# Altium PCB as14120_all.PcbDoc (part 2 of 4)
Units mm, origin at the board's own origin, x right, y up, seen from the top; angles counter-clockwise.
Board outline 130 x 100 mm, 6 copper layers (Top Layer, GND_top, Signal_Power, Signal_midle, GND_bot, Bottom Layer), stack 1.003 mm thick; 383 components, 353 nets, 2210 pads, 1060 vias.
Unrouted connection lines stored in the file: 634.
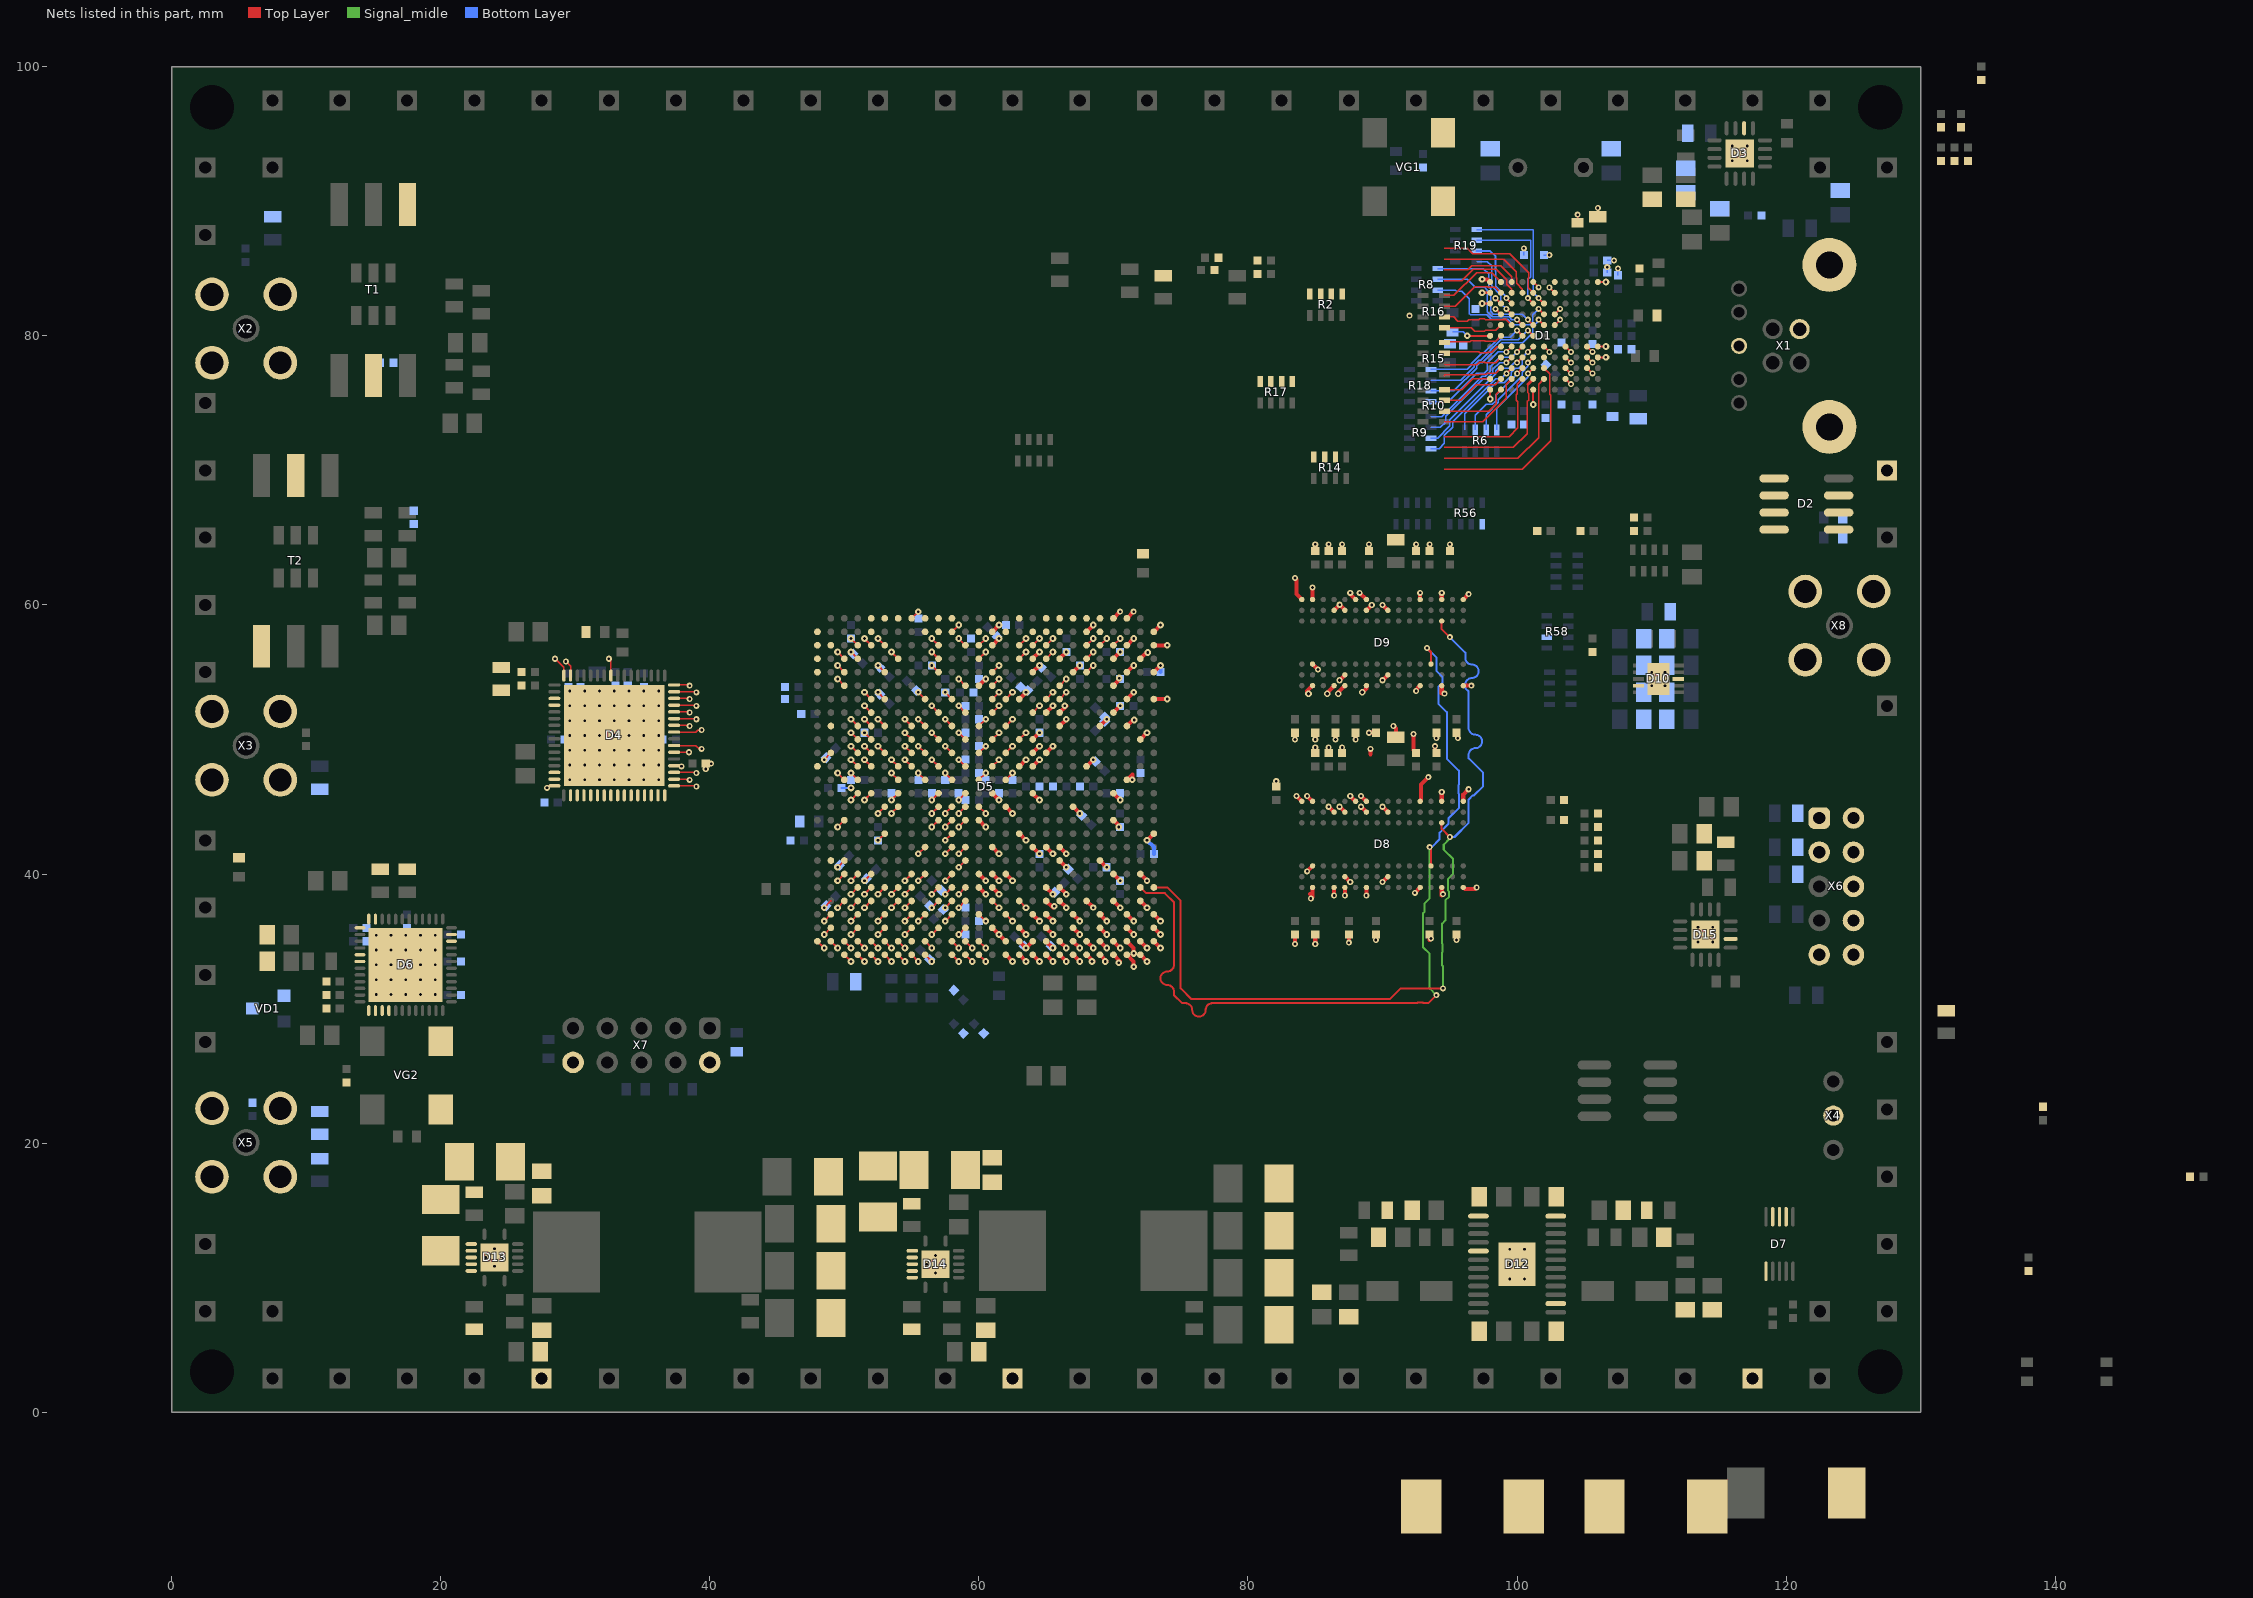
[diagram p5: the nets of this part, all layers, seen from the top]

## Footprints (in the part's own frame and the unit in brackets; to place one, negate y for a bottom-side part, rotate by r counter-clockwise, add the part's x,y. Pads: shape width x height; smd on the part's side, far side on the other; paste and mask are expansions set on the pad) (continued)
RESC0603(1608)_L [mm] "Chip Resistor, Body 1.6x0.8mm, IPC High Density"
  rect 0.7x0.9 smd: 1(-0.7,0) 2(0.7,0)
  silkscreen extent -0.05,-0.35 0.05,0.35, body extent -0.85,-0.47 0.85,0.47, height 0.6
RESC0805(2012)_L [mm] "Chip Resistor, Body 2.0x1.3mm, IPC High Density"
  rect 0.85x1.3 smd: 1(-0.85,0) 2(0.85,0)
  silkscreen extent -0.05,-0.55 0.05,0.55, body extent -1.1,-0.67 1.1,0.68, height 0.78
RGY14-2050X2050TP [mm] "QFN, 14-Leads, Body 3.5x3.5mm, Pitch 0.5mm, Thermal Pad 2.05x2.05mm, TI Recommended"
  oval 0.28x0.85 smd paste-0.025 mask+0.07: 1(-0.75,1.725) 7(-0.75,-1.725) 8(0.75,-1.725) 14(0.75,1.725)
  oval 0.85x0.28 smd paste-0.025 mask+0.07: 2(-1.725,1) 3(-1.725,0.5) 4(-1.725,0) 5(-1.725,-0.5) 6(-1.725,-1) 9(1.725,-1) 10(1.725,-0.5) 11(1.725,0) 12(1.725,0.5) 13(1.725,1)
  rect 2.05x2.05 smd paste-1.025 mask+0.07: 15(0,0)
  silkscreen extent -1.98,-1.98 1.97,2.42, body extent -1.83,-1.83 1.82,1.82, height 0.05
RM-10_L [mm] "TSSOP, 10-Leads, Body 3x3mm, Pitch 0.5mm, IPC High Density"
  oval 1.45x0.25 smd: 1(-2.025,1) 2(-2.025,0.5) 3(-2.025,0) 4(-2.025,-0.5) 5(-2.025,-1) 6(2.025,-1) 7(2.025,-0.5) 8(2.025,0) 9(2.025,0.5) 10(2.025,1)
  silkscreen extent -2.15,-1.55 0.9,1.8, body extent -1.55,-1.55 1.55,1.55, height 1.1
SMA [mm]
  round 2 hole 1.5: 1(0,0)
  round 2.5 hole 1.7: 2(-2.54,-2.54) 2(-2.54,2.54) 2(2.54,-2.54) 2(2.54,2.54)
  silkscreen extent -12,-3.5 3.5,3.5, body extent -11.6,-3.5 3.55,3.5, height 9.86
sma [mm]
  round 2 hole 1.5: 1(0,0)
  round 2.5 hole 1.7: 2(-2.54,-2.54) 2(-2.54,2.54) 2(2.54,-2.54) 2(2.54,2.54)
  silkscreen extent -12,-3.5 3.5,3.5, body extent -11.6,-3.5 3.55,3.5, height 9.86
SMC [mm]
  rect 2.8x3.8 smd: 1(-4,0) 2(3.5,0)
  silkscreen extent -4,-3 3.5,3
SO-G3/X.9 [mm]
  rect 0.9x0.95 smd: 1(0,0) 2(0.95,-2.35) 3(-0.95,-2.35)
  silkscreen extent -2,-3.23 2,0.87
TI-DRC10-2400X1650TP_V [mm] "SON, 10-Leads, Body 3x3mm, Pitch 0.5mm, Thermal Pad 3x1.65mm"
  rect 0.85x0.28 smd: 1(-1.475,1) 2(-1.475,0.5) 3(-1.475,0) 4(-1.475,-0.5) 5(-1.475,-1) 6(1.475,-1) 7(1.475,-0.5) 8(1.475,0) 9(1.475,0.5) 10(1.475,1)
  rect 1.65x2.4 smd: 11(0,0)
  Top Layer region: -0.11,1.2 -0.11,1.7 -0.39,1.7 -0.39,1.2
  Top Layer region: 0.11,-1.2 0.11,-1.7 0.39,-1.7 0.39,-1.2
  Top Layer region: -0.11,-1.2 -0.11,-1.7 -0.39,-1.7 -0.39,-1.2
  Top Layer region: 0.11,1.2 0.11,1.7 0.39,1.7 0.39,1.2
  silkscreen extent -2,-1.55 1.55,1.6, body extent -1.5,-1.5 1.5,1.5, height 1
TT!-6-KK81 [mm]
  rect 1.27x3.18 smd: 1(0,12.7) 2(2.54,12.7) 3(5.08,12.7) 4(5.08,0) 5(2.54,0) 6(0,0)
  rect 0.76x1.4 smd: 11(1.27,8.255) 12(2.54,8.255) 13(3.81,8.255) 14(3.81,5.08) 15(2.54,5.08) 16(1.27,5.08)
  silkscreen extent -1.4,3 6.2,9.9
USB3_B [mm]
  round 1.5 hole 1: 1(1.25,-2.5) 2(-1.25,-2.5) 3(-1.25,-4.5) 4(1.25,-4.5)
  round 1.2 hole 0.8: 5(-4.25,0) 6(-2.5,0) 7(0,0) 8(2.5,0) 9(4.25,0)
  round 4 hole 2: 10(-6.02,-6.71) 10(6.02,-6.71)
  silkscreen extent -6.25,-17.25 6.25,1.5, body extent -7.4,-16.7 7.4,-0.2, height 11

## Part data
C1 C2 C3 C7 C9 C10 C12 C14 C15 C16 C17 C18 C19 C20 C21 C22 C23 C24 C25 C26 C27 C28 C29 C30 C31 C32 C33 C34 C35 C36 C37 C40 C41 C42 C43 C44 C45 C48 C49 C50 C51 C52 C53 C54 C55 C56 C57 C58 C59 C60 C61 C62 C63 C64 C65 C66 C69 C70 C71 C72 C73 C74 C75 C76 C77 C78 C79 C80 C81 C82 C83 C84 C85 C86 C87 C88 C89 C90 C91 C92 C93 C95 C96 C97 C98 C104 C105 C106 C107 C108 C109 C110 C111 C112 C113 C114 C115 C116 C117 C118 C119 C123 C124 C125 C126 C127 C128 C129 C130 C131 C132 C133 C134 C135 C136 C137 C138 C139 C140 C141 C142 C143 C144 C145 C146 C147 C148 C149 C150 C151 C152 C153 C154 C155 C156 C157 C158 C159 C160 C161 C162 C163 C164 C165 C166 C167 C168 C169 C170 C171 C172 C173 C174 C175 C176 C177 C178 C179 C180 C181 C182 C183 C184 C185 C186 C187 C188 C189 C190 C191 C192 C193 C194 C195 C196 C197 C198 C199 C200: library part CAP_0402, "CAP 1uF 10V ±20% 0402 (1005 Metric) Thickness 0.6mm SMD"
C207 C208 C211 C212 C213 C214 C226 C227 C231 C232 C233 C234: library part avx_b
D1: library part CYUSB3014-BZXC
D2: library part AT24C08BN-SP25-T, "8Kbit (1024 x 8), 2-wire Bus Automotive Serial EEPROM with Write Protect, 2.5V, 8-Pin SOIC, Tape & Reel"
D4: "Dual 14-Bit Analog-to-Digital Converter with Parallel Interface, 1.8 V, 125MSPS, -40 to +85 degC, CP-64-6, Pb-Free, Tray"
D5: "Cyclone V E Family FPGA, 1.07 to 1.13 V Supply, 336 I/O Pins, 7 PLLs, 672-Pin FBGA, Speed Grade 8, Commercial Grade, RoHS Compliant"
D6: "12-Output Clock Generator with Integrated 2.5 GHz VCO, 1800 MHz Max f-out, CP-48-8, Pb-Free, 260 Tray"
D7: "Dual 12-Bit Rail-to-Rail Output Digital-to-Analog Converter, 2.5 to 5.5 V, -40 to +105 degC, RM-10, Tube"
D8 D9: "4Gb DDR3-1600 SDRAM, 256Mb x 16, 1.25ns, 1.5V, 0 to 95 degC, 96-Ball FBGA, Pb-Free"
D10: "Single Output LDO, 3 A, 2.375 to 3.5 V Input, with DDR Termination, 10-pin SON (DRC), -40 to 85 degC, Green (RoHS & no Sb/Br)"
D12: "Dual 4 MHz, 3 A Synchronous Step-Down DC/DC Converter, 24-pin SOP (FE-24-EPV-AA), -40 to 125 degC, Pb-Free"
D13 D14: "Buck Step Down Regulator with 4.5 to 17 V Input and 0.8 to 15 V Output, -40 to 150 degC, 14-Pin VQFN (RGY), Green (RoHS & no Sb/Br)"
L1 L2 L3 L4 L5 L6 L7 L8 L9 L10 L11 L12: library part Ferrite_beat
L13 L15: "INDUCT"
R1 R12 R13 R27 R29 R31 R32 R33 R35 R36 R38 R39 R40 R41 R42 R44 R45 R49 R50 R51 R53 R54 R61 R62 R63 R64 R65 R66 R67 R68 R69 R70 R71 R72 R73 R74 R75 R85 R86 R87 R88 R89 R90 R91 R92 R93 R94 R95 R96 R97 R98 R99 R100: library part RES_0805, "1K 0.125W 1% 0805 (2012 Metric)  SMD"
R3 R4 R5 R7 R11 R20 R21 R22 R23 R24 R25 R26 R30 R34 R37 R43 R46 R47 R48 R52 R76 R77 R78 R79 R80 R81 R82 R83 R84 R101 R102: library part RES_0603, "1K 0.1W 5% 0603 (1608 Metric)  SMD"
T1 T2: library part TT1-6-KK81
VD1: "SOT23 Silicon Planar High-Speed Switching Series Diode Pair"

## Free pads (board coordinates)
  rect 0.3x0.5 hole 3.3 unplated: 0(3,3) 0(127,3) 0(127,97)
  rect 0x0 hole 3.3 unplated: 0(3,97)
  rect 1.5x1.5 hole 0.9: 3(2.5,7.5) 3(2.5,12.5) 3(2.5,27.5) 3(2.5,32.5) 3(2.5,37.5) 3(2.5,42.5) 3(2.5,55) 3(2.5,60) 3(2.5,65) 3(2.5,70) 3(2.5,75) 3(2.5,87.5) 3(2.5,92.5) 3(7.5,2.5) 3(7.5,7.5) 3(7.5,92.5) 3(7.5,97.5) 3(12.5,2.5) 3(12.5,97.5) 3(17.5,2.5) 3(17.5,97.5) 3(22.5,2.5) 3(22.5,97.5) 3(27.5,2.5) 3(27.5,97.5) 3(32.5,2.5) 3(32.5,97.5) 3(37.5,2.5) 3(37.5,97.5) 3(42.5,2.5) 3(42.5,97.5) 3(47.5,2.5) 3(47.5,97.5) 3(52.5,2.5) 3(52.5,97.5) 3(57.5,2.5) 3(57.5,97.5) 3(62.5,2.5) 3(62.5,97.5) 3(67.5,2.5) 3(67.5,97.5) 3(72.5,2.5) 3(72.5,97.5) 3(77.5,2.5) 3(77.5,97.5) 3(82.5,2.5) 3(82.5,97.5) 3(87.5,2.5) 3(87.5,97.5) 3(92.5,2.5) 3(92.5,97.5) 3(97.5,2.5) 3(97.5,97.5) 3(102.5,2.5) 3(102.5,97.5) 3(107.5,2.5) 3(107.5,97.5) 3(112.5,2.5) 3(112.5,97.5) 3(117.5,2.5) 3(117.5,97.5) 3(122.5,2.5) 3(122.5,7.5) 3(122.5,92.5) 3(122.5,97.5) 3(127.5,7.5) 3(127.5,12.5) 3(127.5,17.5) 3(127.5,22.5) 3(127.5,27.5) 3(127.5,52.5) 3(127.5,65) 3(127.5,70) 3(127.5,92.5)

## Via types
v1: diameter 0.5, hole 0.2, Top Layer to Bottom Layer, 705 vias
v2: diameter 0.45, hole 0.2, Top Layer to Bottom Layer, 314 vias
v3: diameter 0.5, hole 0.25, Top Layer to Bottom Layer, 38 vias
v4: diameter 0.45, hole 0.25, Top Layer to Bottom Layer, 3 vias

## Nets (pads, with @x,y where several pads share a name; then routed paths per layer and width w, separated by ;. In a path a pad name is that pad's centre, name@x,y a point inside that pad or via, vN(x,y) a via of type N, cw(c..) or ccw(c..) an arc to the next point about the centre after c; other vN are vias at no path point)
0V: C1.2 C4.1 C5.1 C6.1 C7.1 C8.1 C9.1 C10.1 C11.1 C12.1 C13.1 C14.1 C15.1 C16.1 C17.1 C18.1 C19.1 C20.1 C21.1 C22.1 C23.1 C24.1 C25.1 C26.1 C27.1 C28.1 C29.1 C30.1 C31.1 C32.1 C33.1 C34.1 C35.1 C36.1 C40.2 C53.2 C54.1 C55.1 C56.1 C57.1 C58.1 C59.1 C60.1 C62.1 C63.1 C65.1 C66.1 C67.1 C68.1 C70.2 C71.2 C72.2 C73.2 C74.2 C75.2 C76.1 C77.1 C78.1 C79.1 C80.1 C81.1 C82.1 C83.1 C84.1 C85.1 C86.1 C87.1 C88.1 C89.1 C90.1 C91.1 C92.1 C93.1 C95.1 C96.1 C97.1 C98.1 C99.1 C100.1 C101.1 C102.1 C103.1 C104.1 C105.1 C106.1 C107.1 C108.1 C109.1 C110.1 C111.1 C112.1 C113.1 C114.1 C115.1 C116.1 C117.1 C118.1 C119.1 C120.1 C121.1 C122.1 C123.1 C124.1 C125.1 C126.1 C127.1 C128.1 C129.1 C130.1 C131.1 C132.1 C133.1 C134.1 C135.1 C136.1 C137.1 C138.1 C139.1 C140.1 C141.1 C142.1 C143.1 C144.1 C145.1 C146.1 C147.1 C148.1 C149.1 C150.1 C151.1 C152.1 C153.1 C154.1 C155.1 C156.1 C157.1 C158.1 C159.1 C160.1 C161.1 C162.1 C163.1 C164.1 C165.1 C166.1 C167.1 C168.1 C169.1 C170.1 C171.1 C172.1 C173.1 C174.1 C175.1 C176.1 C177.1 C178.1 C179.1 C180.1 C181.1 C182.1 C183.1 C184.1 C185.1 C186.1 C187.1 C188.1 C189.1 C190.1 C191.1 C192.1 C193.1 C194.1 C195.1 C196.1 C197.1 C198.1 C199.1 C200.1 C201.2 C202.2 C203.1 C204.1 C205.1 C206.1 C207.2 C208.2 C210.2 C211.2 C212.2 C213.2 C214.2 C215.1 C216.1 C217.1 C218.1 C219.1 C220.1 C221.1 C222.1 C223.1 C224.1 C225.2 C226.2 C227.2 C229.1 C230.1 C231.2 C232.2 C233.2 C234.2 C235.1 C236.1 D1.A1 D1.A8 D1.B7 D1.B8 D1.B9 D1.D8 D1.E2 D1.G1 D1.G11 D1.K3 D1.K4 D1.L1 D1.L2 D1.L3 D1.L6 D1.L11 D2.1 D2.2 D2.3 D2.4 D2.7 D3.6 D3.17 D4.20 D4.64 D5.A2 D5.A15 D5.A25 D5.AA1 D5.AA2 D5.AA5 D5.AA15 D5.AA25 D5.AB1 D5.AB2 D5.AB3 D5.AB4 D5.AB8 D5.AB18 D5.AC1 D5.AC2 D5.AC5 D5.AC7 D5.AC11 D5.AC13 D5.AC19 D5.AC21 D5.AC23 D5.AC26 D5.AD1 D5.AD2 D5.AD3 D5.AD4 D5.AD14 D5.AD18 D5.AD20 D5.AD22 D5.AD24 D5.AD26 D5.AE1 D5.AE2 D5.AE5 D5.AE7 D5.AE17 D5.AE23 D5.AF2 D5.AF3 D5.AF4 D5.AF10 D5.AF20 D5.AF22 D5.AF24 D5.AF25 D5.B2 D5.B3 D5.B4 D5.B8 D5.B16 D5.B18 D5.C1 D5.C2 D5.C5 D5.C8 D5.C11 D5.C21 D5.D1 D5.D2 D5.D3 D5.D4 D5.D5 D5.D14 D5.D23 D5.D24 D5.E1 D5.E2 D5.E5 D5.E7 D5.E17 D5.F1 D5.F2 D5.F3 D5.F4 D5.F10 D5.F20 D5.F22 D5.G1 D5.G2 D5.G5 D5.G13 D5.G23 D5.H1 D5.H2 D5.H3 D5.H4 D5.H5 D5.H6 D5.H16 D5.H26 D5.J1 D5.J2 D5.J4 D5.J9 D5.J14 D5.J18 D5.J20 D5.K3 D5.K5 D5.K12 D5.K13 D5.K15 D5.K17 D5.K19 D5.K22 D5.L1 D5.L2 D5.L4 D5.L5 D5.L6 D5.L10 D5.L14 D5.L16 D5.L18 D5.L20 D5.L25 D5.L26 D5.M1 D5.M2 D5.M3 D5.M5 D5.M6 D5.M8 D5.M13 D5.M15 D5.M17 D5.M19 D5.N1 D5.N2 D5.N4 D5.N6 D5.N7 D5.N11 D5.N14 D5.N16 D5.N18 D5.N21 D5.P3 D5.P5 D5.P6 D5.P7 D5.P9 D5.P13 D5.P15 D5.P17 D5.P19 D5.P24 D5.P25 D5.R1 D5.R2 D5.R4 D5.R7 D5.R12 D5.R14 D5.R16 D5.R18 D5.T1 D5.T2 D5.T3 D5.T5 D5.T10 D5.T15 D5.T17 D5.T20 D5.U1 D5.U2 D5.U4 D5.U9 D5.U13 D5.U15 D5.U16 D5.U17 D5.U22 D5.U23 D5.V1 D5.V2 D5.V3 D5.V4 D5.V5 D5.V6 D5.V9 D5.V16 D5.V19 D5.V26 D5.W1 D5.W2 D5.W5 D5.W6 D5.W8 D5.W9 D5.W18 D5.W19 D5.W23 D5.Y1 D5.Y2 D5.Y3 D5.Y4 D5.Y12 D5.Y22 D6.49 D8.A9 D8.B1 D8.B3 D8.B9 D8.D1 D8.D8 D8.E1 D8.E2 D8.E8 D8.F9 D8.G1 D8.G8 D8.G9 D8.J2 D8.J8 D8.M1 D8.M9 D8.P1 D8.P9 D8.T1 D8.T9 D9.A9 D9.B1 D9.B3 D9.B9 D9.D1 D9.D8 D9.E1 D9.E2 D9.E8 D9.F9 D9.G1 D9.G8 D9.G9 D9.J2 D9.J8 D9.M1 D9.M9 D9.P1 D9.P9 D9.T1 D9.T9 D10.4 D10.8 D10.11 D12.1 D12.5 D12.14 D12.24 D12.25 D13.2 D13.3 D13.15 D14.2 D14.3 D14.15 D15.6 D15.17 pad.3@27.5,2.5 pad.3@62.5,2.5 pad.3@117.5,2.5 pad.3@127.5,70 R3.1 R4.2 R5.1 R12.2 R13.2 R24.2 R25.2 R29.1 R49.2 R50.2 R52.1 R54.1 R61.2 R62.2 R65.1 R68.1 R73.1 R74.2 R75.2 R84.1 R87.2 R89.1 R90.2 R94.1 R97.1 R98.2 R99.1 R102.2 VD1.3 VG1.2 VG2.2 X1.4 X1.7 X1.10 X4.2 X5.2 X6.2 X6.4 X6.6 X6.8 X6.9 X6.10 X7.2 X7.10 X8.2 | length 207
  Top Layer w0.1: v2(27.9,46.4) 28.05,46.55 D4.64@28.45,46.55 ; D4.20@37.35,48.05 37.85,48.05 v2(37.9,48) ; v2(39.7,47.8) C54.1@39.7,48.2 v2(40.1,48.2) ; v2(94,50.1) C113.1@94,50.5 ; C115.1@95.5,50.5 95.5,50.2 v2(95.6,50.1) ; D1.G1@101.2,84 v2(101.6,83.6) ; R3.1@104.5,88.4 v2(104.5,89) ; R13.2@106,88.85 v2(106,89.5)
  Top Layer w0.15: D5.A2@48,35 v1(48.5,34.5) ; v1(48.5,35.5) D5.B3@49,36 ; v1(48.5,36.5) D5.B4@49,37 ; v1(48.5,37.5) 49,38 ; v1(48.5,48.5) D5.B16@49,49 ; D5.B2@49,35 v1(49.5,34.5) ; v1(49.5,37.5) D5.C5@50,38 ; v1(49.5,40.5) D5.C8@50,41 ; v1(49.5,43.5) D5.C11@50,44 ; v1(49.5,54.5) D5.C21@50,54 ; D5.C1@50,34 v1(50.5,33.5) ; D5.C2@50,35 v1(50.5,34.5) ; v1(50.5,35.5) D5.D3@51,36 ; v1(50.5,36.5) D5.D4@51,37 ; v1(50.5,37.5) D5.D5@51,38 ; v1(50.5,47.5) D5.D14@51,47 ; v1(50.5,56.5) D5.D23@51,56 ; v1(50.5,57.5) D5.D24@51,57 ; D5.D1@51,34 v1(51.5,33.5) ; D5.D2@51,35 v1(51.5,34.5) ; v1(51.5,37.5) D5.E5@52,38 ; v1(51.5,39.5) D5.E7@52,40 ; v1(51.5,50.5) D5.E17@52,50 ; D5.E1@52,34 v1(52.5,33.5) ; D5.E2@52,35 v1(52.5,34.5) ; v1(52.5,35.5) D5.F3@53,36 ; v1(52.5,36.5) D5.F4@53,37 ; v1(52.5,42.5) D5.F10@53,43 ; v1(52.5,53.5) D5.F20@53,53 ; v1(52.5,55.5) D5.F22@53,55 ; D5.F1@53,34 v1(53.5,33.5) ; D5.F2@53,35 v1(53.5,34.5) ; v1(53.5,37.5) D5.G5@54,38 ; v1(53.5,45.5) D5.G13@54,46 ; v1(53.5,56.5) D5.G23@54,56 ; D5.G1@54,34 v1(54.5,33.5) ; D5.G2@54,35 v1(54.5,34.5) ; v1(54.5,35.5) D5.H3@55,36 ; v1(54.5,36.5) D5.H4@55,37 ; v1(54.5,37.5) D5.H5@55,38 ; v1(54.5,38.5) D5.H6@55,39 ; v1(54.5,49.5) D5.H16@55,49 ; D5.H1@55,34 v1(55.5,33.5) ; D5.H26@55,59 v1(55.5,59.5) ; v1(55.5,36.5) D5.J4@56,37 ; v1(55.5,41.5) D5.J9@56,42 ; v1(55.5,47.5) D5.J14@56,47 ; v1(55.5,51.5) D5.J18@56,51 ; v1(55.5,53.5) D5.J20@56,53 ; D5.J1@56,34 v1(56.5,33.5) ; D5.J2@56,35 v1(56.5,34.5) ; v1(56.5,35.5) D5.K3@57,36 ; v1(56.5,37.5) D5.K5@57,38 ; v1(56.5,44.5) D5.K12@57,45 ; v1(56.5,45.5) D5.K13@57,46 ; v1(56.5,48.5) D5.K15@57,48 ; v1(56.5,50.5) D5.K17@57,50 ; v1(56.5,52.5) D5.K19@57,52 ; v1(56.5,55.5) D5.K22@57,55 ; v1(57.5,36.5) D5.L4@58,37 ; v1(57.5,37.5) D5.L5@58,38 ; v1(57.5,38.5) D5.L6@58,39 ; v1(57.5,42.5) D5.L10@58,43 ; v1(57.5,47.5) D5.L14@58,47 ; v1(57.5,49.5) D5.L16@58,49 ; v1(57.5,51.5) D5.L18@58,51 ; v1(57.5,53.5) D5.L20@58,53 ; D5.L1@58,34 v1(58.5,33.5) ; D5.L2@58,35 v1(58.5,34.5) ; D5.L25@58,58 v1(58.5,58.5) ; v1(58.5,35.5) D5.M3@59,36 ; v1(58.5,37.5) D5.M5@59,38 ; v1(58.5,38.5) D5.M6@59,39 ; v1(58.5,40.5) D5.M8@59,41 ; v1(58.5,45.5) D5.M13@59,46 ; v1(58.5,48.5) D5.M15@59,48 ; v1(58.5,50.5) D5.M17@59,50 ; v1(58.5,52.5) D5.M19@59,52 ; D5.M1@59,34 v1(59.5,33.5) ; D5.M2@59,35 v1(59.5,34.5) ; D5.N1@60,34 v1(60.5,33.5) ; D5.N2@60,35 v1(60.5,34.5) ; D5.N4@60,37 v1(60.5,36.5) ; D5.N14@60,47 v1(60.5,47.5) ; D5.N16@60,49 v1(60.5,49.5) ; D5.N18@60,51 v1(60.5,51.5) ; D5.P5@61,38 v1(61.5,37.5) ; D5.P15@61,48 v1(61.5,48.5) ; D5.P17@61,50 v1(61.5,50.5) ; D5.P19@61,52 v1(61.5,52.5) ; D5.R4@62,37 v1(62.5,36.5) ; D5.R14@62,47 v1(62.5,47.5) ; D5.R16@62,49 v1(62.5,49.5) ; D5.R18@62,51 v1(62.5,51.5) ; D5.T5@63,38 v1(63.5,37.5) ; D5.T17@63,50 v1(63.5,50.5) ; v1(96.3,80) D1.L6@98,80 ; v1(97.4,82.4) D1.L3@98,82.4 ; v1(97.4,83.2) D1.L2@98,83.2 ; v1(98,75.3) D1.L11@98,76 ; v2@98.4,82 D1.K4@98.8,81.6 ; v2@98.4,82.8 D1.K3@98.8,82.4 ; v1(101.2,74.9) D1.G11@101.2,76 ; v2@102.4,83.6 D1.E2@102.8,83.2 ; D1.D8@103.607,78.4 v2@104.007,78 ; D1.B9@105.2,77.6 v2@105.6,77.2 ; D1.B8@105.2,78.4 v2@105.6,78 ; D1.B7@105.2,79.2 v2@105.6,78.8 ; D1.A8@106,78.4 v1(106.6,78.4) ; D1.A1@106,84 v1(106.6,84)
  Top Layer w0.3: D5.N6@60,39 v1(60.5,38.5) ; D5.N7@60,40 v1(60.5,39.5) ; D5.N11@60,44 v1(60.5,43.5) ; D5.N21@60,54 v1(60.5,54.5) ; D5.P3@61,36 v1(61.5,35.5) D5.R2@62,35 ; D5.P6@61,39 v1(61.5,38.5) ; D5.P7@61,40 v1(61.5,39.5) ; D5.P9@61,42 v1(61.5,41.5) ; D5.P13@61,46 v1(61.5,45.5) ; D5.P24@61,57 v1(61.5,57.5) ; D5.P25@61,58 v1(61.5,58.5) ; D5.R1@62,34 v1(62.5,33.5) ; D5.R7@62,40 v1(62.5,39.5) ; D5.R12@62,45 v1(62.5,44.5) ; D5.T1@63,34 v1(63.5,33.5) ; D5.T2@63,35 v1(63.5,34.5) D5.U2@64,35 ; D5.T3@63,36 v1(63.5,35.5) ; D5.T10@63,43 v1(63.5,42.5) ; D5.T15@63,48 v1(63.5,48.5) ; D5.T20@63,53 v1(63.5,53.5) ; D5.U1@64,34 v1(64.5,33.5) ; D5.U4@64,37 v1(64.5,36.5) ; D5.U9@64,42 v1(64.5,41.5) ; D5.U13@64,46 v1(64.5,45.5) ; D5.U15@64,48 v1(64.5,48.5) ; D5.U16@64,49 v1(64.5,49.5) ; D5.U17@64,50 v1(64.5,50.5) ; D5.U22@64,55 v1(64.5,55.5) ; D5.U23@64,56 v1(64.5,56.5) ; D5.V1@65,34 v1(65.5,33.5) ; D5.V2@65,35 v1(65.5,34.5) ; D5.V3@65,36 v1(65.5,35.5) ; D5.V4@65,37 v1(65.5,36.5) ; D5.V5@65,38 65.5,37.5 v1(65.6,37.6) ; D5.V6@65,39 v1(65.5,38.5) ; D5.V9@65,42 v1(65.5,41.5) ; D5.V16@65,49 v1(65.5,49.5) ; D5.V19@65,52 v1(65.5,52.5) ; D5.W1@66,34 v1(66.5,33.5) ; D5.W2@66,35 v1(66.5,34.5) ; D5.W5@66,38 v1(66.5,37.5) ; D5.W6@66,39 v1(66.5,38.5) ; D5.W8@66,41 v1(66.5,40.5) ; D5.W9@66,42 v1(66.5,41.5) ; D5.W18@66,51 v1(66.5,51.5) ; D5.W19@66,52 66.5,52.5 v1(66.375,52.5) ; D5.W23@66,56 v1(66.5,56.5) ; D5.Y1@67,34 v1(67.5,33.5) ; D5.Y2@67,35 v1(67.5,34.5) ; D5.Y3@67,36 v1(67.5,35.5) ; D5.Y4@67,37 v1(67.5,36.5) ; D5.Y12@67,45 v1(67.5,44.5) ; D5.Y22@67,55 v1(67.5,55.5) ; D5.AA1@68,34 68.5,33.5 v1(68.4,33.5) ; D5.AA2@68,35 v1(68.5,34.5) ; D5.AA5@68,38 v2(68.5,37.5) ; D5.AA15@68,48 v1(68.5,48.5) ; D5.AA25@68,58 v1(68.5,58.5) ; D5.AB4@68.982,37.018 D5.AB4@69.133,37.018 ; D5.AB1@69,34 69.5,33.5 v1(69.4,33.5) ; D5.AB2@69,35 v1(69.5,34.5) ; D5.AB3@69,36 v1(69.5,35.5) ; D5.AB4@69,37 v1(69.5,36.5) ; D5.AB8@69,41 v1(69.5,40.5) ; D5.AB18@69,51 v1(69.5,51.5) ; D5.AC1@70,34 70.5,33.5 v1(70.4,33.4) ; D5.AC2@70,35 v1(70.5,34.5) ; D5.AC5@70,38 v1(70.5,37.5) ; D5.AC7@70,40 v1(70.5,39.5) ; D5.AC11@70,44 70.4,43.6 70.364,43.564 70.4,43.528 v1(70.4,43.5) ; D5.AC13@70,46 v1(70.5,45.5) ; D5.AC19@70,52 v1(70.5,52.5) ; D5.AC21@70,54 70.5,54.5 v1(70.439,54.56) ; D5.AC23@70,56 v1(70.5,56.5) ; D5.AC26@70,59 v2(70.5,59.5) ; D5.AD1@71,34 71.5,33.5 v1(71.5,33.1) ; D5.AD2@71,35 71.5,34.5 v1(71.5,34.1) ; D5.AD3@71,36 v1(71.5,35.5) ; D5.AD4@71,37 v1(71.5,36.5) ; D5.AD14@71,47 71.4,47.4 v1(71.4,47) ; D5.AD18@71,51 71.5,51.5 v1(71.548,51.452) ; D5.AD20@71,53 v1(71.5,53.5) ; D5.AD22@71,55 v1(71.5,55.5) ; D5.AD24@71,57 v1(71.5,57.5) ; D5.AD26@71,59 v2(71.5,59.5) ; D5.AE1@72,34 v1(72.5,33.5) ; D5.AE2@72,35 v1(72.5,34.5) ; D5.AE5@72,38 v1(72.5,37.5) ; D5.AE7@72,40 v2(72.5,39.5) ; D5.AE17@72,50 v1(72.5,50.5) ; D5.AE23@72,56 72.5,56.5 v1(72.543,56.457) ; v1(72.5,42.5) D5.AF10@73,43 ; D5.AF2@73,35 v1(73.5,34.5) ; D5.AF3@73,36 v1(73.5,35.5) ; D5.AF4@73,37 v1(73.5,36.5) ; D5.AF20@73,53 v1(74,53) ; D5.AF22@73,55 v1(73.5,55.5) ; D5.AF24@73,57 v1(74,57) ; D5.AF25@73,58 v1(73.5,58.5) ; C87.1@82.1,46.5 v2(82.1,46.9) ; v2(83.5,34.8) 83.5,35.1 C106.1@83.5,35.5 ; v2(83.5,50) C116.1@83.5,50.5 ; v2(83.5,62) 83.6,61.9 83.6,60.8 D9.A9@84,60.4 ; v2(83.6,45.8) D8.A9@84,45.4 ; v2(84.4,40.2) D8.B3@84.8,40.6 ; v2(84.4,45.8) D8.B9@84.8,45.4 ; v3(84.5,53.4) 84.4,53.4 84.4,53.6 D9.B1@84.8,54 ; v2(84.675,38.175) 84.675,38.375 84.7,38.4 84.6,38.5 84.8,38.3 D8.B1@84.8,39 ; D9.B3@84.8,55.6 84.875,55.525 v4(85.2,55.2) ; D9.B9@84.8,60.4 v2(84.8,61.3) ; v2(85,34.8) 85,35.1 C107.1@85,35.5 ; C91.1@85,49 v2@85,49.4 ; v2(85,50) C117.1@85,50.5 ; C89.1@85,64 v2(85,64.5) ; v3(85.9,53.4) 85.9,53.5 D9.D1@86.3,53.9 ; v2(86,45) D8.D8@86.4,44.6 ; C92.1@86,49 v2(86,49.4) ; C88.1@86,64 v2(86,64.5) ; v2(86.4,38.4) D8.D1@86.4,39 ; D9.D8@86.4,59.6 v2@86.8,60 ; v2(86.5,50) C114.1@86.5,50.5 ; v3(86.7,53.4) 86.7,53.5 D9.E1@87.1,53.9 ; v2(86.8,45) D8.E8@87.2,44.6 ; v4(86.8,54.4) D9.E2@87.2,54.8 ; v2(86.813,60.013) 87.2,59.626 D9.E8@87.2,59.6 ; C93.1@87,49 v2(87,49.4) ; C119.1@87,64 v2(87,64.5) ; v2(87.2,38.4) 87.2,38.5 D8.E1@87.2,39 ; D8.E2@87.2,39.8 v2(87.6,39.4) ; v2(87.5,34.9) v2@87.5,35.1 ; v2@87.5,35.1 C108.1@87.5,35.5 ; v2(87.6,45.8) D8.F9@88,45.4 ; v2(87.6,60.9) 87.6,60.8 D9.F9@88,60.4 ; v2(88,50) C112.1@88,50.5 ; v2(88.3,60.9) D9.G9@88.8,60.4 ; v2(88.4,45) D8.G8@88.8,44.6 ; v2(88.4,45.8) D8.G9@88.8,45.4 ; v3(88.5,53.5) 88.8,53.8 D9.G1@88.8,54 ; v2(88.8,38.4) D8.G1@88.8,39 ; D9.G8@88.8,59.6 v2(89.2,60) ; v2(89,50.5) C82.1@89.5,50.5 ; C84.1@89,64 v2(89,64.5) ; 89.1,48.9 v2(89.1,49.3) ; v2(89.5,35.1) C79.1@89.5,35.5 ; v2(90,39.4) D8.J2@90.4,39.8 ; v2(90,45) D8.J8@90.4,44.6 ; v2(90,54.4) D9.J2@90.4,54.8 ; v2(90,60) D9.J8@90.4,59.6 ; v2(90.8,51) 91,50.8 R61.2@91,50.15 ; v2(92.3,50.4) 92.3,49.2 C80.1@92.5,49 ; v2(92.4,38.6) D8.M1@92.8,39 ; v2(92.5,53.6) 92.4,53.6 D9.M1@92.8,54 ; C81.1@92.5,64 v2(92.5,64.5) ; D8.M9@92.8,45.4 92.85,45.45 92.85,46.65 v2(93.4,47.2) ; D9.M9@92.8,60.4 v2(92.8,60.9) ; C109.1@93.5,35.5 93.5,35.1 v2(93.6,35.2) ; C83.1@93.5,64 v2(93.5,64.5) ; v2(93.9,49.5) 93.9,49.1 C104.1@94,49 ; D8.P1@94.4,39 94.4,38.4 v2(94.5,38.5) ; D8.P9@94.4,45.4 v2(94.4,46.1) ; D9.P1@94.4,54 94.4,53.4 v2(94.6,53.4) ; D9.P9@94.4,60.4 v2(94.4,60.9) ; C118.1@95,64 v2(95,64.5) ; v2(95.5,35.1) C110.1@95.5,35.5 ; D8.T1@96,39 96.125,38.875 96.875,38.875 v2(97,39) ; D8.T9@96,45.4 96,45.9 v2(96.4,46.3) ; D9.T1@96,54 v2(96.6,54) ; D9.T9@96,60.4 v2(96.4,60.8) ; v1(97.4,84.2) 97.8,84.2 D1.L1@98,84 ; v1(70.5,45.5) 70.4,45.6 v1(70.5,45.5)